# KiCad board SP110Duo.kicad_pcb
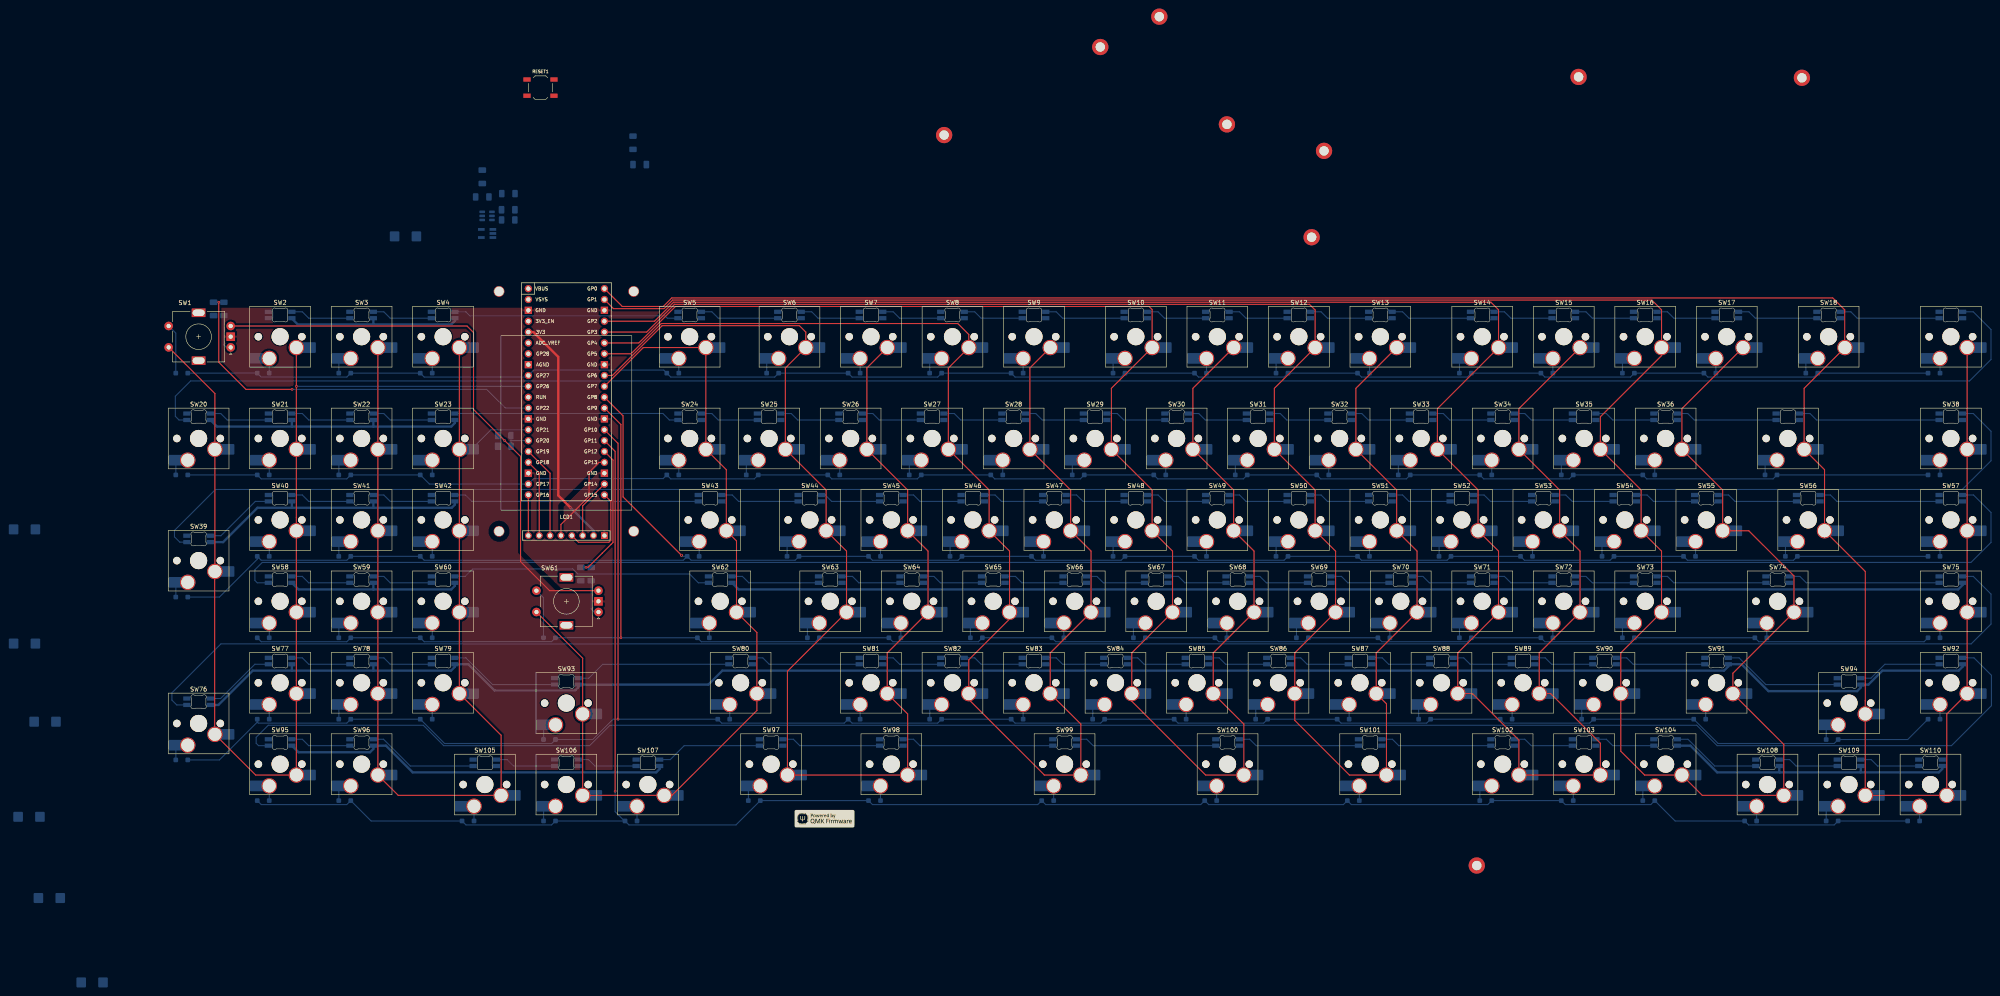
[diagram p0: board, top side]
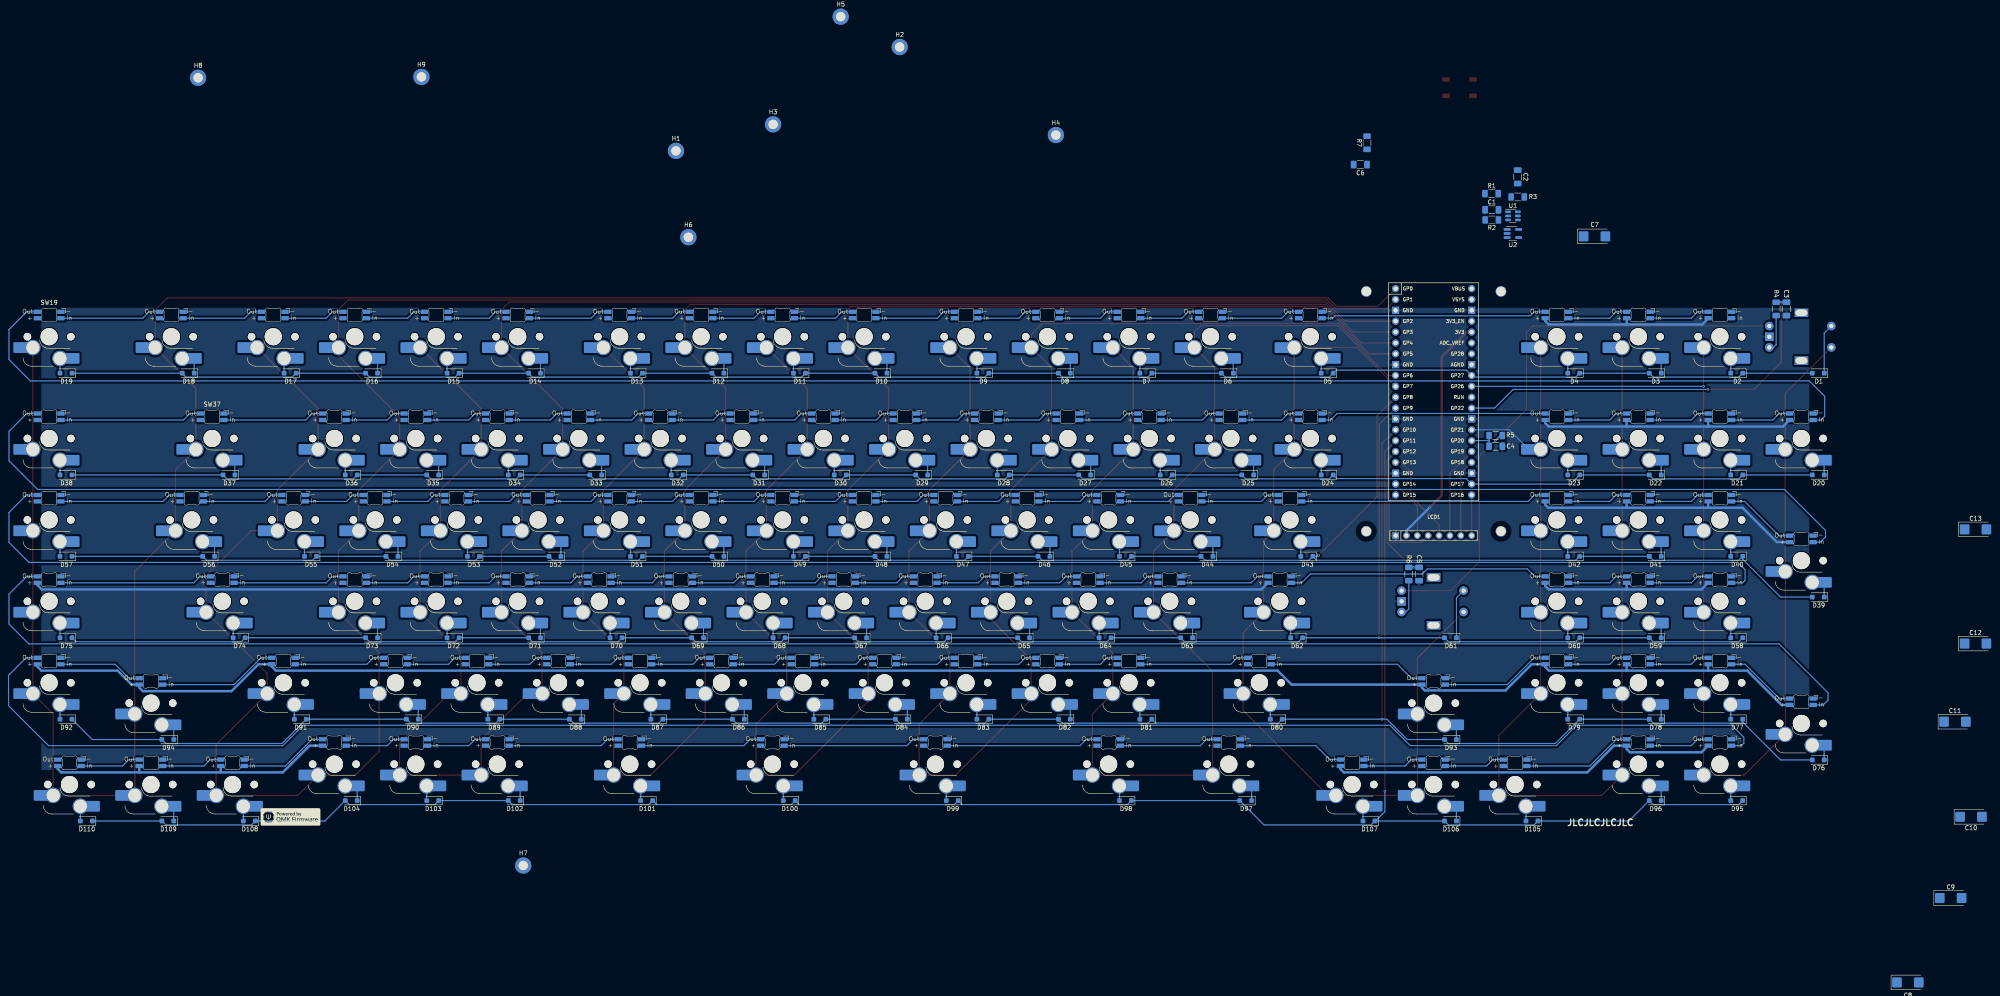
[diagram p1: board, bottom side, seen from below]

Outline 413.17 x 108.05 mm; copper layers: Top, Bottom. Coordinates in mm from the lower left corner of the outline.
Stack: Top 0.035mm / dielectric 1.51mm FR4 er 4.5 / Bottom 0.035mm

## Placement (name value [footprint] x y rotation side)
C1  100nF  [C_1206_3216Metric_Pad1.33x1.80mm_HandSolder]  74.16 131.03 180 bottom
C2  100nF  [C_1206_3216Metric_Pad1.33x1.80mm_HandSolder]  68.11 138.74 270 bottom
C3  100nF  [C_1206_3216Metric_Pad1.33x1.80mm_HandSolder]  5.3 107.83 90 bottom
C4  100nF  [C_1206_3216Metric_Pad1.33x1.80mm_HandSolder]  73.26 75.71 180 bottom
C5  100nF  [C_1206_3216Metric_Pad1.33x1.80mm_HandSolder]  91.16 45.81 90 bottom
C6  4.7uF  [C_1206_3216Metric_Pad1.33x1.80mm_HandSolder]  104.89 141.61 180 bottom
C7  100uF  [CP_EIA-6032-15_Kemet-U_Pad2.25x2.35mm_HandSolder]  50.16 124.81 180 bottom
C8  100uF  [CP_EIA-6032-15_Kemet-U_Pad2.25x2.35mm_HandSolder]  -23.09 -49.74 180 bottom
C9  100uF  [CP_EIA-6032-15_Kemet-U_Pad2.25x2.35mm_HandSolder]  -33.09 -29.99 180 bottom
C10  100uF  [CP_EIA-6032-15_Kemet-U_Pad2.25x2.35mm_HandSolder]  -37.84 -10.99 180 bottom
C11  100uF  [CP_EIA-6032-15_Kemet-U_Pad2.25x2.35mm_HandSolder]  -34.09 11.26 180 bottom
C12  100uF  [CP_EIA-6032-15_Kemet-U_Pad2.25x2.35mm_HandSolder]  -38.9 29.54 180 bottom
C13  100uF  [CP_EIA-6032-15_Kemet-U_Pad2.25x2.35mm_HandSolder]  -38.9 56.26 180 bottom
D1  1N4148W  [D_SOD-123F]  -2.14 92.81 0 bottom
D2  1N4148W  [D_SOD-123F]  16.91 92.81 0 bottom
D3  1N4148W  [D_SOD-123F]  35.96 92.81 0 bottom
D4  1N4148W  [D_SOD-123F]  55.01 92.81 0 bottom
D5  1N4148W  [D_SOD-123F]  112.64 92.81 0 bottom
D6  1N4148W  [D_SOD-123F]  135.97 92.81 0 bottom
D7  1N4148W  [D_SOD-123F]  155.02 92.81 0 bottom
D8  1N4148W  [D_SOD-123F]  174.07 92.81 0 bottom
D9  1N4148W  [D_SOD-123F]  193.12 92.81 0 bottom
D10  1N4148W  [D_SOD-123F]  216.93 92.81 0 bottom
D11  1N4148W  [D_SOD-123F]  235.98 92.81 0 bottom
D12  1N4148W  [D_SOD-123F]  255.03 92.81 0 bottom
D13  1N4148W  [D_SOD-123F]  274.08 92.81 0 bottom
D14  1N4148W  [D_SOD-123F]  297.9 92.81 0 bottom
D15  1N4148W  [D_SOD-123F]  316.95 92.81 0 bottom
D16  1N4148W  [D_SOD-123F]  336 92.81 0 bottom
D17  1N4148W  [D_SOD-123F]  355.05 92.81 0 bottom
D18  1N4148W  [D_SOD-123F]  378.86 92.81 0 bottom
D19  1N4148W  [D_SOD-123F]  407.43 92.81 0 bottom
D20  1N4148W  [D_SOD-123F]  -2.14 69 0 bottom
D21  1N4148W  [D_SOD-123F]  16.91 69 0 bottom
D22  1N4148W  [D_SOD-123F]  35.96 69 0 bottom
D23  1N4148W  [D_SOD-123F]  55.01 69 0 bottom
D24  1N4148W  [D_SOD-123F]  112.64 69 0 bottom
D25  1N4148W  [D_SOD-123F]  131.21 69 0 bottom
D26  1N4148W  [D_SOD-123F]  150.26 69 0 bottom
D27  1N4148W  [D_SOD-123F]  169.31 69 0 bottom
D28  1N4148W  [D_SOD-123F]  188.36 69 0 bottom
D29  1N4148W  [D_SOD-123F]  207.41 69 0 bottom
D30  1N4148W  [D_SOD-123F]  226.46 69 0 bottom
D31  1N4148W  [D_SOD-123F]  245.51 69 0 bottom
D32  1N4148W  [D_SOD-123F]  264.56 69 0 bottom
D33  1N4148W  [D_SOD-123F]  283.61 69 0 bottom
D34  1N4148W  [D_SOD-123F]  302.66 69 0 bottom
D35  1N4148W  [D_SOD-123F]  321.71 69 0 bottom
D36  1N4148W  [D_SOD-123F]  340.76 69 0 bottom
D37  1N4148W  [D_SOD-123F]  369.33 69 0 bottom
D38  1N4148W  [D_SOD-123F]  407.43 69 0 bottom
D39  1N4148W  [D_SOD-123F]  -2.14 40.42 0 bottom
D40  1N4148W  [D_SOD-123F]  16.91 49.95 0 bottom
D41  1N4148W  [D_SOD-123F]  35.96 49.95 0 bottom
D42  1N4148W  [D_SOD-123F]  55.01 49.95 0 bottom
D43  1N4148W  [D_SOD-123F]  117.4 49.95 0 bottom
D44  1N4148W  [D_SOD-123F]  140.73 49.95 0 bottom
D45  1N4148W  [D_SOD-123F]  159.78 49.95 0 bottom
D46  1N4148W  [D_SOD-123F]  178.83 49.95 0 bottom
D47  1N4148W  [D_SOD-123F]  197.88 49.95 0 bottom
D48  1N4148W  [D_SOD-123F]  216.93 49.95 0 bottom
D49  1N4148W  [D_SOD-123F]  235.98 49.95 0 bottom
D50  1N4148W  [D_SOD-123F]  255.03 49.95 0 bottom
D51  1N4148W  [D_SOD-123F]  274.08 49.95 0 bottom
D52  1N4148W  [D_SOD-123F]  293.13 49.95 0 bottom
D53  1N4148W  [D_SOD-123F]  312.18 49.95 0 bottom
D54  1N4148W  [D_SOD-123F]  331.23 49.95 0 bottom
D55  1N4148W  [D_SOD-123F]  350.28 49.95 0 bottom
D56  1N4148W  [D_SOD-123F]  374.1 49.95 0 bottom
D57  1N4148W  [D_SOD-123F]  407.43 49.95 0 bottom
D58  1N4148W  [D_SOD-123F]  16.91 30.9 0 bottom
D59  1N4148W  [D_SOD-123F]  35.96 30.9 0 bottom
D60  1N4148W  [D_SOD-123F]  55.01 30.9 0 bottom
D61  1N4148W  [D_SOD-123F]  83.82 30.9 0 bottom
D62  1N4148W  [D_SOD-123F]  119.78 30.9 0 bottom
D63  1N4148W  [D_SOD-123F]  145.5 30.9 0 bottom
D64  1N4148W  [D_SOD-123F]  164.55 30.9 0 bottom
D65  1N4148W  [D_SOD-123F]  183.6 30.9 0 bottom
D66  1N4148W  [D_SOD-123F]  202.65 30.9 0 bottom
D67  1N4148W  [D_SOD-123F]  221.7 30.9 0 bottom
D68  1N4148W  [D_SOD-123F]  240.75 30.9 0 bottom
D69  1N4148W  [D_SOD-123F]  259.8 30.9 0 bottom
D70  1N4148W  [D_SOD-123F]  278.85 30.9 0 bottom
D71  1N4148W  [D_SOD-123F]  297.9 30.9 0 bottom
D72  1N4148W  [D_SOD-123F]  316.95 30.9 0 bottom
D73  1N4148W  [D_SOD-123F]  336 30.9 0 bottom
D74  1N4148W  [D_SOD-123F]  366.95 30.9 0 bottom
D75  1N4148W  [D_SOD-123F]  407.43 30.9 0 bottom
D76  1N4148W  [D_SOD-123F]  -2.14 2.32 0 bottom
D77  1N4148W  [D_SOD-123F]  16.91 11.85 0 bottom
D78  1N4148W  [D_SOD-123F]  35.96 11.85 0 bottom
D79  1N4148W  [D_SOD-123F]  55.01 11.85 0 bottom
D80  1N4148W  [D_SOD-123F]  124.54 11.85 0 bottom
D81  1N4148W  [D_SOD-123F]  155.02 11.85 0 bottom
D82  1N4148W  [D_SOD-123F]  174.07 11.85 0 bottom
D83  1N4148W  [D_SOD-123F]  193.12 11.85 0 bottom
D84  1N4148W  [D_SOD-123F]  212.17 11.85 0 bottom
D85  1N4148W  [D_SOD-123F]  231.22 11.85 0 bottom
D86  1N4148W  [D_SOD-123F]  250.27 11.85 0 bottom
D87  1N4148W  [D_SOD-123F]  269.32 11.85 0 bottom
D88  1N4148W  [D_SOD-123F]  288.37 11.85 0 bottom
D89  1N4148W  [D_SOD-123F]  307.42 11.85 0 bottom
D90  1N4148W  [D_SOD-123F]  326.47 11.85 0 bottom
D91  1N4148W  [D_SOD-123F]  352.67 11.85 0 bottom
D92  1N4148W  [D_SOD-123F]  407.43 11.85 0 bottom
D93  1N4148W  [D_SOD-123F]  83.82 7.08 0 bottom
D94  1N4148W  [D_SOD-123F]  383.62 7.08 0 bottom
D95  1N4148W  [D_SOD-123F]  16.91 -7.2 0 bottom
D96  1N4148W  [D_SOD-123F]  35.96 -7.2 0 bottom
D97  1N4148W  [D_SOD-123F]  131.69 -7.2 0 bottom
D98  1N4148W  [D_SOD-123F]  159.78 -7.2 0 bottom
D99  1N4148W  [D_SOD-123F]  200.27 -7.2 0 bottom
D100  1N4148W  [D_SOD-123F]  238.37 -7.2 0 bottom
D101  1N4148W  [D_SOD-123F]  271.7 -7.2 0 bottom
D102  1N4148W  [D_SOD-123F]  302.66 -7.2 0 bottom
D103  1N4148W  [D_SOD-123F]  321.71 -7.2 0 bottom
D104  1N4148W  [D_SOD-123F]  340.76 -7.2 0 bottom
D105  1N4148W  [D_SOD-123F]  64.77 -11.97 0 bottom
D106  1N4148W  [D_SOD-123F]  83.82 -11.97 0 bottom
D107  1N4148W  [D_SOD-123F]  102.87 -11.97 0 bottom
D108  1N4148W  [D_SOD-123F]  364.57 -11.97 0 bottom
D109  1N4148W  [D_SOD-123F]  383.62 -11.97 0 bottom
D110  1N4148W  [D_SOD-123F]  402.67 -11.97 0 bottom
G***  LOGO  [QMK_PoweredBy]  148.11 -11.43 0 top
G***#2  LOGO  [QMK_PoweredBy]  354.96 -11.03 180 bottom
H1  MountingHole  [MountingHole_2.2mm_M2_DIN965_Pad]  264.86 144.81 180 bottom
H2  MountingHole  [MountingHole_2.2mm_M2_DIN965_Pad]  212.56 169.11 180 bottom
H3  MountingHole  [MountingHole_2.2mm_M2_DIN965_Pad]  242.16 151.01 180 bottom
H4  MountingHole  [MountingHole_2.2mm_M2_DIN965_Pad]  176.06 148.51 180 bottom
H5  MountingHole  [MountingHole_2.2mm_M2_DIN965_Pad]  226.36 176.21 180 bottom
H6  MountingHole  [MountingHole_2.2mm_M2_DIN965_Pad]  261.96 124.61 180 bottom
H7  MountingHole  [MountingHole_2.2mm_M2_DIN965_Pad]  300.56 -22.39 180 bottom
H8  MountingHole  [MountingHole_2.2mm_M2_DIN965_Pad]  376.56 161.91 180 bottom
H9  MountingHole  [MountingHole_2.2mm_M2_DIN965_Pad]  324.36 162.11 180 bottom
LCD1  -  [LCD-ST7789-2in]  87.76 83.87 180 top
R1  5.1k  [R_1206_3216Metric_Pad1.30x1.75mm_HandSolder]  74.21 134.81 180 bottom
R2  5.1k  [R_1206_3216Metric_Pad1.30x1.75mm_HandSolder]  74.16 128.65 180 bottom
R3  75k  [R_1206_3216Metric_Pad1.30x1.75mm_HandSolder]  68.11 134.03 0 bottom
R4  5.1k  [R_1206_3216Metric_Pad1.30x1.75mm_HandSolder]  7.71 107.83 270 bottom
R5  5.1k  [R_1206_3216Metric_Pad1.30x1.75mm_HandSolder]  73.26 78.21 180 bottom
R6  5.1k  [R_1206_3216Metric_Pad1.30x1.75mm_HandSolder]  93.56 45.81 270 bottom
R7  10k  [R_1206_3216Metric_Pad1.30x1.75mm_HandSolder]  103.33 146.71 90 bottom
RESET1  SW_Push  [SW_SPST_TL3342]  81.71 159.61 0 top
SW1  RotaryEncoder_Switch  [RotaryEncoder_Alps_EC11E-Switch_Vertical_H20mm_Centred]  1.8 101.33 180 top
SW2  Switch w/LED  [Hotswap_MX_Plated_LED_1u]  20.85 101.33 0 top
SW3  Switch w/LED  [Hotswap_MX_Plated_LED_1u]  39.9 101.33 0 top
SW4  Switch w/LED  [Hotswap_MX_Plated_LED_1u]  58.95 101.33 0 top
SW5  Switch w/LED  [Hotswap_MX_Plated_LED_1u]  116.58 101.33 0 top
SW6  Switch w/LED  [Hotswap_MX_Plated_LED_1u]  139.91 101.33 0 top
SW7  Switch w/LED  [Hotswap_MX_Plated_LED_1u]  158.96 101.33 0 top
SW8  Switch w/LED  [Hotswap_MX_Plated_LED_1u]  178.01 101.33 0 top
SW9  Switch w/LED  [Hotswap_MX_Plated_LED_1u]  197.06 101.33 0 top
SW10  Switch w/LED  [Hotswap_MX_Plated_LED_1u]  220.87 101.33 0 top
SW11  Switch w/LED  [Hotswap_MX_Plated_LED_1u]  239.92 101.33 0 top
SW12  Switch w/LED  [Hotswap_MX_Plated_LED_1u]  258.97 101.33 0 top
SW13  Switch w/LED  [Hotswap_MX_Plated_LED_1u]  278.02 101.33 0 top
SW14  Switch w/LED  [Hotswap_MX_Plated_LED_1u]  301.84 101.33 0 top
SW15  Switch w/LED  [Hotswap_MX_Plated_LED_1u]  320.89 101.33 0 top
SW16  Switch w/LED  [Hotswap_MX_Plated_LED_1u]  339.94 101.33 0 top
SW17  Switch w/LED  [Hotswap_MX_Plated_LED_1u]  358.99 101.33 0 top
SW18  Switch w/LED  [Hotswap_MX_Plated_LED_1u]  382.8 101.33 0 top
SW19  Switch w/LED  [Hotswap_MX_Plated_LED_1u]  411.37 101.33 0 top
SW20  Switch w/LED  [Hotswap_MX_Plated_LED_1u]  1.8 77.52 0 top
SW21  Switch w/LED  [Hotswap_MX_Plated_LED_1u]  20.85 77.52 0 top
SW22  Switch w/LED  [Hotswap_MX_Plated_LED_1u]  39.9 77.52 0 top
SW23  Switch w/LED  [Hotswap_MX_Plated_LED_1u]  58.95 77.52 0 top
SW24  Switch w/LED  [Hotswap_MX_Plated_LED_1u]  116.58 77.52 0 top
SW25  Switch w/LED  [Hotswap_MX_Plated_LED_1u]  135.15 77.52 0 top
SW26  Switch w/LED  [Hotswap_MX_Plated_LED_1u]  154.2 77.52 0 top
SW27  Switch w/LED  [Hotswap_MX_Plated_LED_1u]  173.25 77.52 0 top
SW28  Switch w/LED  [Hotswap_MX_Plated_LED_1u]  192.3 77.52 0 top
SW29  Switch w/LED  [Hotswap_MX_Plated_LED_1u]  211.35 77.52 0 top
SW30  Switch w/LED  [Hotswap_MX_Plated_LED_1u]  230.4 77.52 0 top
SW31  Switch w/LED  [Hotswap_MX_Plated_LED_1u]  249.45 77.52 0 top
SW32  Switch w/LED  [Hotswap_MX_Plated_LED_1u]  268.5 77.52 0 top
SW33  Switch w/LED  [Hotswap_MX_Plated_LED_1u]  287.55 77.52 0 top
SW34  Switch w/LED  [Hotswap_MX_Plated_LED_1u]  306.6 77.52 0 top
SW35  Switch w/LED  [Hotswap_MX_Plated_LED_1u]  325.65 77.52 0 top
SW36  Switch w/LED  [Hotswap_MX_Plated_LED_1u]  344.7 77.52 0 top
SW37  Switch w/LED  [Hotswap_MX_Plated_LED_1u]  373.27 77.52 0 top
SW38  Switch w/LED  [Hotswap_MX_Plated_LED_1u]  411.37 77.52 0 top
SW39  Switch w/LED  [Hotswap_MX_Plated_LED_2u_90deg]  1.8 48.95 0 top
SW40  Switch w/LED  [Hotswap_MX_Plated_LED_1u]  20.85 58.47 0 top
SW41  Switch w/LED  [Hotswap_MX_Plated_LED_1u]  39.9 58.47 0 top
SW42  Switch w/LED  [Hotswap_MX_Plated_LED_1u]  58.95 58.47 0 top
SW43  Switch w/LED  [Hotswap_MX_Plated_LED_1.5u]  121.34 58.47 0 top
SW44  Switch w/LED  [Hotswap_MX_Plated_LED_1u]  144.67 58.47 0 top
SW45  Switch w/LED  [Hotswap_MX_Plated_LED_1u]  163.72 58.47 0 top
SW46  Switch w/LED  [Hotswap_MX_Plated_LED_1u]  182.77 58.47 0 top
SW47  Switch w/LED  [Hotswap_MX_Plated_LED_1u]  201.82 58.47 0 top
SW48  Switch w/LED  [Hotswap_MX_Plated_LED_1u]  220.87 58.47 0 top
SW49  Switch w/LED  [Hotswap_MX_Plated_LED_1u]  239.92 58.47 0 top
SW50  Switch w/LED  [Hotswap_MX_Plated_LED_1u]  258.97 58.47 0 top
SW51  Switch w/LED  [Hotswap_MX_Plated_LED_1u]  278.02 58.47 0 top
SW52  Switch w/LED  [Hotswap_MX_Plated_LED_1u]  297.07 58.47 0 top
SW53  Switch w/LED  [Hotswap_MX_Plated_LED_1u]  316.12 58.47 0 top
SW54  Switch w/LED  [Hotswap_MX_Plated_LED_1u]  335.17 58.47 0 top
SW55  Switch w/LED  [Hotswap_MX_Plated_LED_1u]  354.22 58.47 0 top
SW56  Switch w/LED  [Hotswap_MX_Plated_LED_1.5u]  378.04 58.47 0 top
SW57  Switch w/LED  [Hotswap_MX_Plated_LED_1u]  411.37 58.47 0 top
SW58  Switch w/LED  [Hotswap_MX_Plated_LED_1u]  20.85 39.42 0 top
SW59  Switch w/LED  [Hotswap_MX_Plated_LED_1u]  39.9 39.42 0 top
SW60  Switch w/LED  [Hotswap_MX_Plated_LED_1u]  58.95 39.42 0 top
SW61  RotaryEncoder_Switch  [RotaryEncoder_Alps_EC11E-Switch_Vertical_H20mm_Centred_1]  87.76 39.42 180 top
SW62  Switch w/LED  [Hotswap_MX_Plated_LED_1.75u]  123.72 39.42 0 top
SW63  Switch w/LED  [Hotswap_MX_Plated_LED_1u]  149.44 39.42 0 top
SW64  Switch w/LED  [Hotswap_MX_Plated_LED_1u]  168.49 39.42 0 top
SW65  Switch w/LED  [Hotswap_MX_Plated_LED_1u]  187.54 39.42 0 top
SW66  Switch w/LED  [Hotswap_MX_Plated_LED_1u]  206.59 39.42 0 top
SW67  Switch w/LED  [Hotswap_MX_Plated_LED_1u]  225.64 39.42 0 top
SW68  Switch w/LED  [Hotswap_MX_Plated_LED_1u]  244.69 39.42 0 top
SW69  Switch w/LED  [Hotswap_MX_Plated_LED_1u]  263.74 39.42 0 top
SW70  Switch w/LED  [Hotswap_MX_Plated_LED_1u]  282.79 39.42 0 top
SW71  Switch w/LED  [Hotswap_MX_Plated_LED_1u]  301.84 39.42 0 top
SW72  Switch w/LED  [Hotswap_MX_Plated_LED_1u]  320.89 39.42 0 top
SW73  Switch w/LED  [Hotswap_MX_Plated_LED_1u]  339.94 39.42 0 top
SW74  Switch w/LED  [Hotswap_MX_Plated_LED_2.25u]  370.89 39.42 0 top
SW75  Switch w/LED  [Hotswap_MX_Plated_LED_1u]  411.37 39.42 0 top
SW76  Switch w/LED  [Hotswap_MX_Plated_LED_2u_90deg]  1.8 10.85 0 top
SW77  Switch w/LED  [Hotswap_MX_Plated_LED_1u]  20.85 20.37 0 top
SW78  Switch w/LED  [Hotswap_MX_Plated_LED_1u]  39.9 20.37 0 top
SW79  Switch w/LED  [Hotswap_MX_Plated_LED_1u]  58.95 20.37 0 top
SW80  Switch w/LED  [Hotswap_MX_Plated_LED_2.25u]  128.48 20.37 0 top
SW81  Switch w/LED  [Hotswap_MX_Plated_LED_1u]  158.96 20.37 0 top
SW82  Switch w/LED  [Hotswap_MX_Plated_LED_1u]  178.01 20.37 0 top
SW83  Switch w/LED  [Hotswap_MX_Plated_LED_1u]  197.06 20.37 0 top
SW84  Switch w/LED  [Hotswap_MX_Plated_LED_1u]  216.11 20.37 0 top
SW85  Switch w/LED  [Hotswap_MX_Plated_LED_1u]  235.16 20.37 0 top
SW86  Switch w/LED  [Hotswap_MX_Plated_LED_1u]  254.21 20.37 0 top
SW87  Switch w/LED  [Hotswap_MX_Plated_LED_1u]  273.26 20.37 0 top
SW88  Switch w/LED  [Hotswap_MX_Plated_LED_1u]  292.31 20.37 0 top
SW89  Switch w/LED  [Hotswap_MX_Plated_LED_1u]  311.36 20.37 0 top
SW90  Switch w/LED  [Hotswap_MX_Plated_LED_1u]  330.41 20.37 0 top
SW91  Switch w/LED  [Hotswap_MX_Plated_LED_1.75u]  356.61 20.37 0 top
SW92  Switch w/LED  [Hotswap_MX_Plated_LED_1u]  411.37 20.37 0 top
SW93  Switch w/LED  [Hotswap_MX_Plated_LED_1u]  87.76 15.61 0 top
SW94  Switch w/LED  [Hotswap_MX_Plated_LED_1u]  387.56 15.61 0 top
SW95  Switch w/LED  [Hotswap_MX_Plated_LED_1u]  20.85 1.32 0 top
SW96  Switch w/LED  [Hotswap_MX_Plated_LED_1u]  39.9 1.32 0 top
SW97  Switch w/LED  [Hotswap_MX_Plated_LED_1.5u]  135.63 1.32 0 top
SW98  Switch w/LED  [Hotswap_MX_Plated_LED_1.5u]  163.72 1.32 0 top
SW99  Switch w/LED  [Hotswap_MX_Plated_LED_2.75u]  204.21 1.32 0 top
SW100  Switch w/LED  [Hotswap_MX_Plated_LED_1.25u]  242.31 1.32 0 top
SW101  Switch w/LED  [Hotswap_MX_Plated_LED_2.25u]  275.64 1.32 0 top
SW102  Switch w/LED  [Hotswap_MX_Plated_LED_1u]  306.6 1.32 0 top
SW103  Switch w/LED  [Hotswap_MX_Plated_LED_1u]  325.65 1.32 0 top
SW104  Switch w/LED  [Hotswap_MX_Plated_LED_1u]  344.7 1.32 0 top
SW105  Switch w/LED  [Hotswap_MX_Plated_LED_1u]  68.71 -3.44 0 top
SW106  Switch w/LED  [Hotswap_MX_Plated_LED_1u]  87.76 -3.44 0 top
SW107  Switch w/LED  [Hotswap_MX_Plated_LED_1u]  106.81 -3.44 0 top
SW108  Switch w/LED  [Hotswap_MX_Plated_LED_1u]  368.51 -3.44 0 top
SW109  Switch w/LED  [Hotswap_MX_Plated_LED_1u]  387.56 -3.44 0 top
SW110  Switch w/LED  [Hotswap_MX_Plated_LED_1u]  406.61 -3.44 0 top
U1  TPS2553DBVR  [SOT-23-6]  69.22 129.6 180 bottom
U2  74AHC1G125  [SOT-23-5_HandSoldering]  69.24 125.48 180 bottom
U3  -  [Raspberry_Pi_Pico]  87.76 88.45 180 bottom

## Library data of the parts
C1-C6 = -: Description: Unpolarized capacitor
C7-C13 = -: Description: Polarized capacitor
D1-D110 = -: Description: 75V 0.15A Fast Switching Diode, SOD-123; Sim.Device: D; Sim.Pins: 1=K 2=A
H1-H9 = -: Description: Mounting Hole without connection
R1-R7 = -: Description: Resistor
RESET1 = -: Description: Push button switch, generic, two pins
SW1 SW61 = -: Description: Rotary encoder, dual channel, incremental quadrate outputs, with switch
SW2-SW60 SW62-SW110 = -: Description: Push button switch, normally open, two pins, 45° tilted
U2 = -: Description: Single Buffer Gate Tri-State, Low-Voltage CMOS

## Footprints (pads in the part's own frame, mm; a bottom-side part is the same pattern mirrored in y, then rotated)
C_1206_3216Metric_Pad1.33x1.80mm_HandSolder
  rrect 1.325x1.8 smd: 1(-1.562,0) 2(1.562,0)
CP_EIA-6032-15_Kemet-U_Pad2.25x2.35mm_HandSolder
  rrect 2.25x2.35 smd: 1(-2.55,0) 2(2.55,0)
D_SOD-123F
  rrect 1.1x1.1 smd: 1(-1.4,0) 2(1.4,0)
Hotswap_MX_Plated_LED_1.5u
  rrect 2.55x2.5 smd: (-5.842,-5.08) (7.085,-2.54)
  round 1.75 hole 1.75 unplated: (-5.08,0) (5.08,0)
  round 4 hole 4 unplated: (0,0)
  round 3.6 hole 3.05: 1(3.81,-2.54) 2(-2.54,-5.08)
  rrect 3.55x2.5 smd far side: 1(6.585,-2.54) 2(-5.32,-5.08)
  rrect 1.7x1 smd far side: 3(2.75,4.33) 4(2.75,5.83) 5(-2.75,4.33) 6(-2.75,5.83)
Hotswap_MX_Plated_LED_1.25u
  rrect 2.55x2.5 smd: (-5.842,-5.08) (7.085,-2.54)
  round 1.75 hole 1.75 unplated: (-5.08,0) (5.08,0)
  round 4 hole 4 unplated: (0,0)
  round 3.6 hole 3.05: 1(3.81,-2.54) 2(-2.54,-5.08)
  rrect 3.55x2.5 smd far side: 1(6.585,-2.54) 2(-5.32,-5.08)
  rrect 1.7x1 smd far side: 3(2.75,4.33) 4(2.75,5.83) 5(-2.75,4.33) 6(-2.75,5.83)
Hotswap_MX_Plated_LED_1.75u
  rrect 2.55x2.5 smd: (-5.842,-5.08) (7.085,-2.54)
  round 1.75 hole 1.75 unplated: (-5.08,0) (5.08,0)
  round 4 hole 4 unplated: (0,0)
  round 3.6 hole 3.05: 1(3.81,-2.54) 2(-2.54,-5.08)
  rrect 3.55x2.5 smd far side: 1(6.585,-2.54) 2(-5.32,-5.08)
  rrect 1.7x1 smd far side: 3(2.75,4.33) 4(2.75,5.83) 5(-2.75,4.33) 6(-2.75,5.83)
Hotswap_MX_Plated_LED_1u
  rrect 2.55x2.5 smd: (-5.842,-5.08) (7.085,-2.54)
  round 1.75 hole 1.75 unplated: (-5.08,0) (5.08,0)
  round 4 hole 4 unplated: (0,0)
  round 3.6 hole 3.05: 1(3.81,-2.54) 2(-2.54,-5.08)
  rrect 3.55x2.5 smd far side: 1(6.585,-2.54) 2(-5.32,-5.08)
  rrect 1.7x1 smd far side: 3(2.75,4.33) 4(2.75,5.83) 5(-2.75,4.33) 6(-2.75,5.83)
Hotswap_MX_Plated_LED_2.25u
  rrect 2.55x2.5 smd: (-5.842,-5.08) (7.085,-2.54)
  round 1.75 hole 1.75 unplated: (-5.08,0) (5.08,0)
  round 4 hole 4 unplated: (0,0)
  round 3.6 hole 3.05: 1(3.81,-2.54) 2(-2.54,-5.08)
  rrect 3.55x2.5 smd far side: 1(6.585,-2.54) 2(-5.32,-5.08)
  rrect 1.7x1 smd far side: 3(2.75,4.33) 4(2.75,5.83) 5(-2.75,4.33) 6(-2.75,5.83)
Hotswap_MX_Plated_LED_2.75u
  rrect 2.55x2.5 smd: (-5.842,-5.08) (7.085,-2.54)
  round 1.75 hole 1.75 unplated: (-5.08,0) (5.08,0)
  round 4 hole 4 unplated: (0,0)
  round 3.6 hole 3.05: 1(3.81,-2.54) 2(-2.54,-5.08)
  rrect 3.55x2.5 smd far side: 1(6.585,-2.54) 2(-5.32,-5.08)
  rrect 1.7x1 smd far side: 3(2.75,4.33) 4(2.75,5.83) 5(-2.75,4.33) 6(-2.75,5.83)
Hotswap_MX_Plated_LED_2u_90deg
  rrect 2.55x2.5 smd: (-5.842,-5.08) (7.085,-2.54)
  round 1.75 hole 1.75 unplated: (-5.08,0) (5.08,0)
  round 4 hole 4 unplated: (0,0)
  round 3.6 hole 3.05: 1(3.81,-2.54) 2(-2.54,-5.08)
  rrect 3.55x2.5 smd far side: 1(6.585,-2.54) 2(-5.32,-5.08)
  rrect 1.7x1 smd far side: 3(2.75,4.33) 4(2.75,5.83) 5(-2.75,4.33) 6(-2.75,5.83)
LCD-ST7789-2in
  round 2.5 hole 2.2 unplated: (-15.74,28.06) (-15.74,-28.06) (15.74,28.06) (15.74,-28.06)
  rect 1.6x1.6 hole 1: 1(-8.89,29.06)
  round 1.6 hole 1: 2(-6.35,29.06) 3(-3.81,29.06) 4(-1.27,29.06) 5(1.27,29.06) 6(3.81,29.06) 7(6.35,29.06) 8(8.89,29.06)
MountingHole_2.2mm_M2_DIN965_Pad
  round 3.8 hole 2.2: 1(0,0)
R_1206_3216Metric_Pad1.30x1.75mm_HandSolder
  rrect 1.3x1.75 smd: 1(-1.55,0) 2(1.55,0)
Raspberry_Pi_Pico
  oval 1.7x1.7 hole 1.02: 1(-8.89,24.13) 2(-8.89,21.59) 4(-8.89,16.51) 5(-8.89,13.97) 6(-8.89,11.43) 7(-8.89,8.89) 9(-8.89,3.81) 10(-8.89,1.27) 11(-8.89,-1.27) 12(-8.89,-3.81) 14(-8.89,-8.89) 15(-8.89,-11.43) 16(-8.89,-13.97) 17(-8.89,-16.51) 19(-8.89,-21.59) 20(-8.89,-24.13) 21(8.89,-24.13) 22(8.89,-21.59) 24(8.89,-16.51) 25(8.89,-13.97) 26(8.89,-11.43) 27(8.89,-8.89) 29(8.89,-3.81) 30(8.89,-1.27) 31(8.89,1.27) 32(8.89,3.81) 34(8.89,8.89) 35(8.89,11.43) 36(8.89,13.97) 37(8.89,16.51) 39(8.89,21.59) 40(8.89,24.13)
  rect 1.7x1.7 hole 1.02: 3(-8.89,19.05) 8(-8.89,6.35) 13(-8.89,-6.35) 18(-8.89,-19.05) 23(8.89,-19.05) 28(8.89,-6.35) 33(8.89,6.35) 38(8.89,19.05)
RotaryEncoder_Alps_EC11E-Switch_Vertical_H20mm_Centred
  round 2 hole 1: A(-7.5,2.5) B(-7.5,-2.5) S1(7,-2.5) S2(7,2.5)
  rect 2x2 hole 1: C(-7.5,0)
  rect 3.2x2 hole 2.8x1.5: MP(0,5.6) MP(0,-5.6)
RotaryEncoder_Alps_EC11E-Switch_Vertical_H20mm_Centred_1
  round 2 hole 1: A(-7.5,2.5) B(-7.5,-2.5) S1(7,-2.5) S2(7,2.5)
  rect 2x2 hole 1: C(-7.5,0)
  rect 3.2x2 hole 2.8x1.5: MP(0,5.6) MP(0,-5.6)
SOT-23-5_HandSoldering
  rect 1.56x0.65 smd: 1(-1.35,0.95) 2(-1.35,0) 3(-1.35,-0.95) 4(1.35,-0.95) 5(1.35,0.95)
SOT-23-6
  rrect 1.325x0.6 smd: 1(-1.137,0.95) 2(-1.137,0) 3(-1.137,-0.95) 4(1.137,-0.95) 5(1.137,0) 6(1.137,0.95)
SW_SPST_TL3342
  rect 1.7x1 smd: 1(-3.15,1.9) 1(3.15,1.9) 2(-3.15,-1.9) 2(3.15,-1.9)
